# Altium PCB IFAT6.PcbDoc (part 1 of 5) (continued)
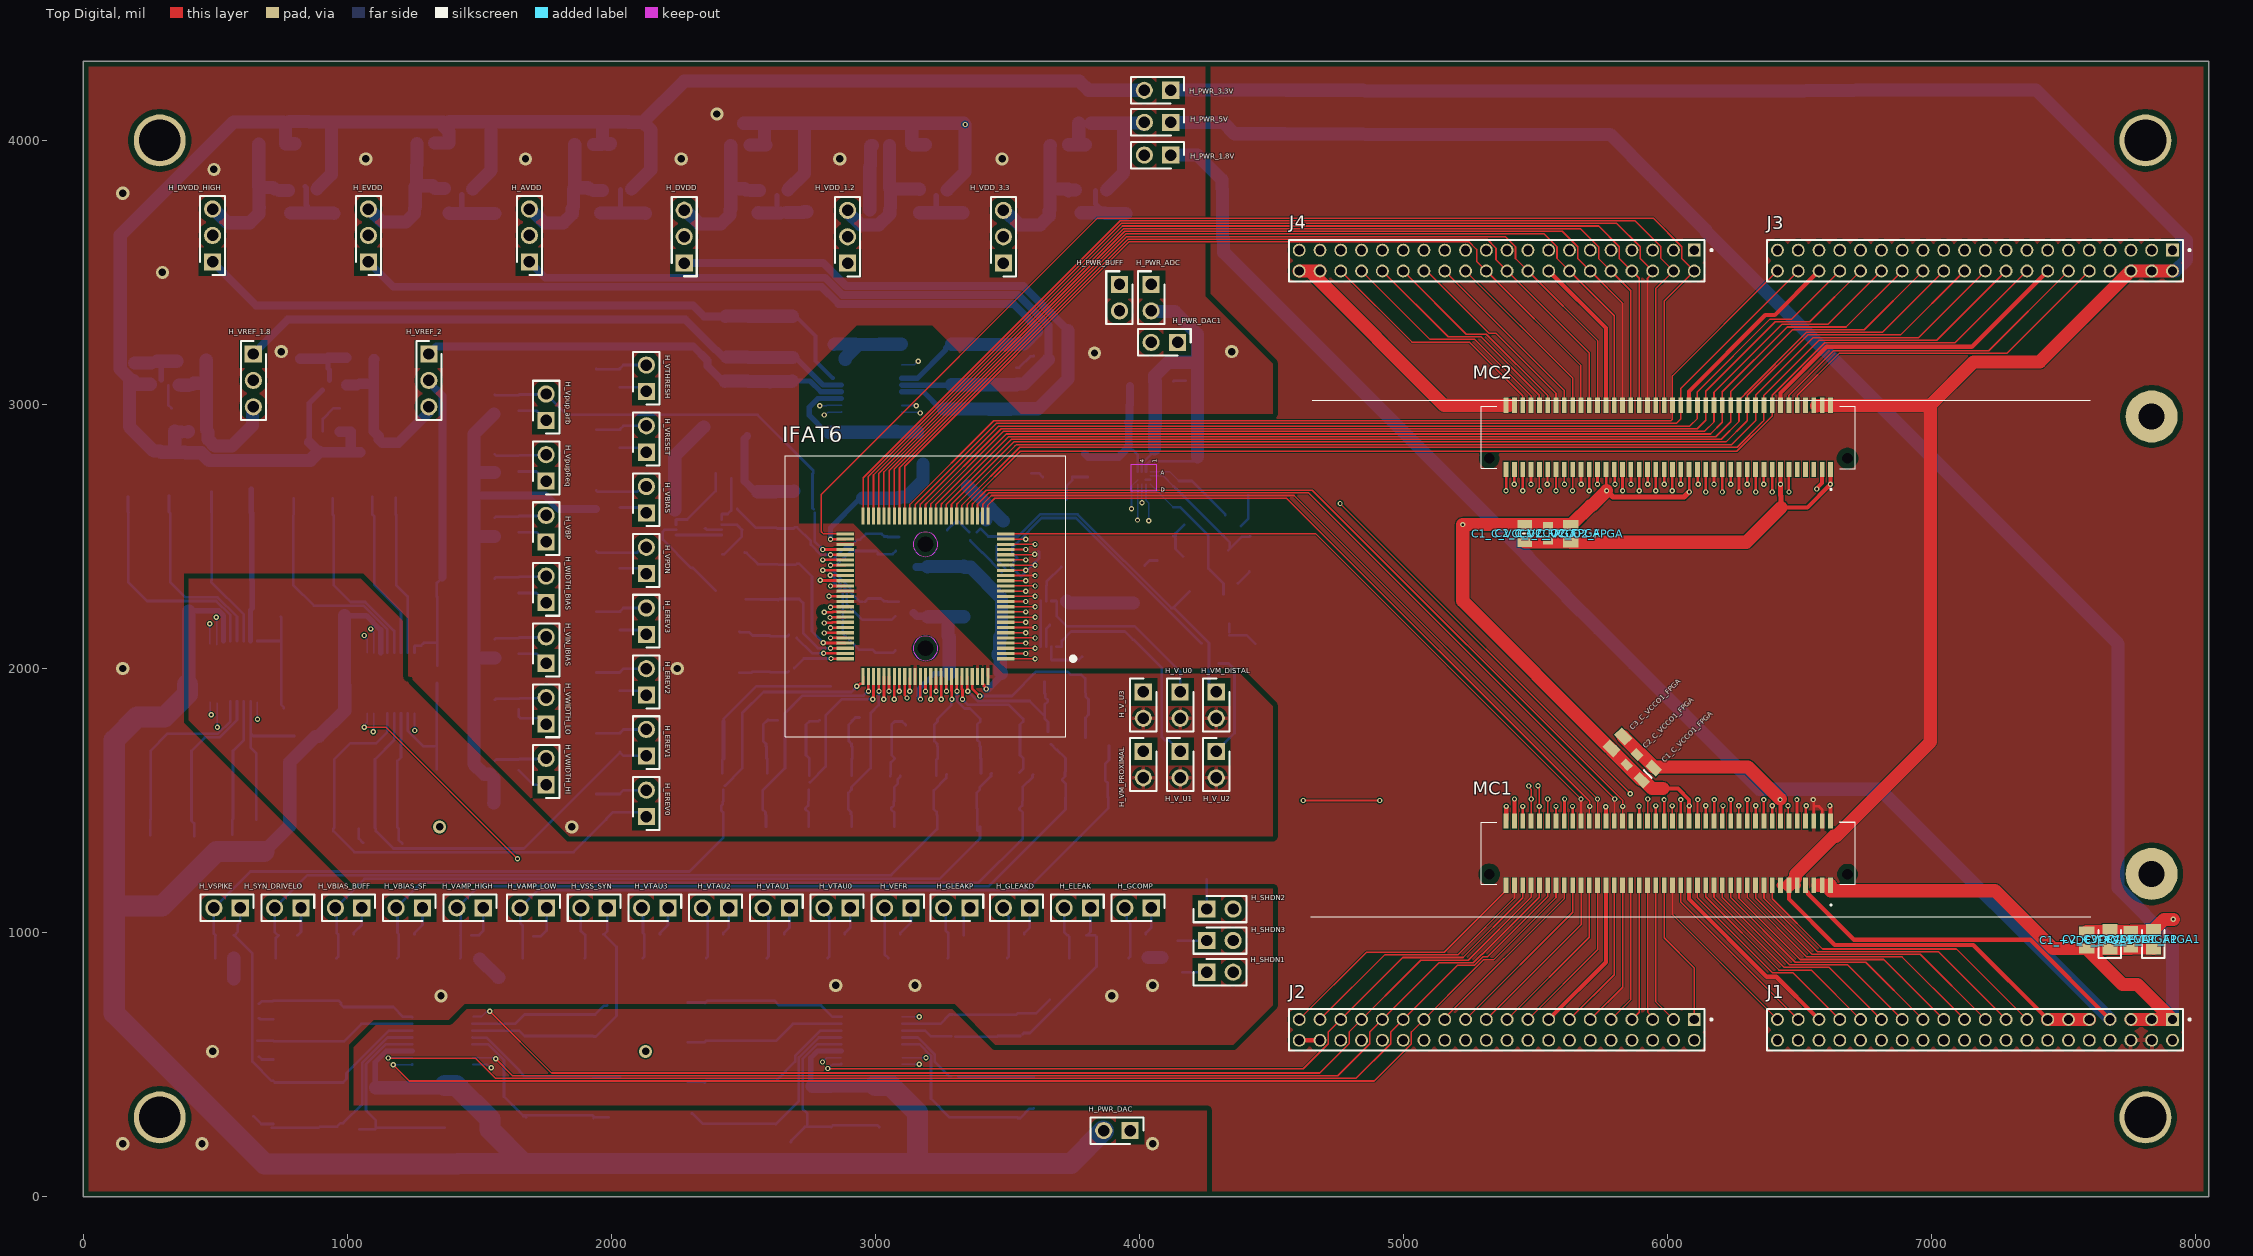
[diagram p0: Top Digital view]
## Components (designator, comment, footprint, x,y, rotation, side; value= is the part's Value field where it differs from the comment) (continued)
C1_VBIAS_SF "Cap 1nF 0805" "Samsung CL21B Series" 3525.57,1540.87 r180 bottom locked value=1nF (schematic designator C1)
C1_VBIAS_SF_DAC "Cap 10uF 0805" "KEMET C0805C106K4PACTU" 1277.5,230 r270 bottom value=10uF (schematic designator C1)
C1_VBP "Cap 1nF 0805" "Samsung CL21B Series" 3089.52,2530.41 r90 bottom locked value=1nF (schematic designator C1)
C1_VBP_DAC "Cap 10uF 0805" "KEMET C0805C106K4PACTU" 140,2590.93 r180 bottom value=10uF (schematic designator C1)
C1_VDC_DAC1 "Cap 10uF 0805" "KEMET C0805C106K4PACTU" 2822.5,2862.8 r270 bottom value=10uF (schematic designator C1)
C1_VDC_DAC2 "Cap 10uF 0805" "KEMET C0805C106K4PACTU" 1277.5,381.22 r270 bottom value=10uF (schematic designator C1)
C1_VDC_DAC3 "Cap 10uF 0805" "KEMET C0805C106K4PACTU" 958.5,2200 r180 bottom value=10uF (schematic designator C1)
C1_VDC_DAC4 "Cap 10uF 0805" "KEMET C0805C106K4PACTU" 365,2035 r180 bottom value=10uF (schematic designator C1)
C1_VDC_DAC5 "Cap 10uF 0805" "KEMET C0805C106K4PACTU" 2930.92,384.38 r270 bottom value=10uF (schematic designator C1)
C1_VDD_1.2_DAC "Cap 10uF 0805" "KEMET C0805C106K4PACTU" 605,2590.93 r180 bottom value=10uF (schematic designator C1)
C1_VIN_IBIAS "Cap 1nF 0805" "Samsung CL21B Series" 3087.5,2285.51 r90 bottom locked value=1nF (schematic designator C1)
C1_VPDN "Cap 1nF 0805" "Samsung CL21B Series" 2535.03,2020.1 r90 bottom locked value=1nF (schematic designator C1)
C1_VPDN_DAC "Cap 10uF 0805" "KEMET C0805C106K4PACTU" 1062.2,2407.5 r180 bottom value=10uF (schematic designator C1)
C1_Vpup_arb_DAC "Cap 10uF 0805" "KEMET C0805C106K4PACTU" 455,2590.93 r180 bottom value=10uF (schematic designator C1)
C1_VpupArb "Cap 1nF 0805" "Samsung CL21B Series" 2797.13,2740 r0 bottom locked value=1nF (schematic designator C1)
C1_VpupReq "Cap 1nF 0805" "Samsung CL21B Series" 2557.87,2564.78 r90 bottom locked value=1nF (schematic designator C1)
C1_VpupReq_DAC "Cap 10uF 0805" "KEMET C0805C106K4PACTU" 295,2590.93 r180 bottom value=10uF (schematic designator C1)
C1_VREF_1.8_DAC "Cap 10uF 0805" "KEMET C0805C106K4PACTU" 2517.5,3212.2 r90 bottom value=10uF (schematic designator C1)
C1_VREF_2_DAC "Cap 10uF 0805" "KEMET C0805C106K4PACTU" 2600.67,3054.15 r270 bottom value=10uF (schematic designator C1)
C1_VREF_DAC1 "Cap 10uF 0805" "KEMET C0805C106K4PACTU" 2928.52,3262.79 r90 bottom value=10uF (schematic designator C1)
C1_VREF_DAC2 "Cap 10uF 0805" "KEMET C0805C106K4PACTU" 2355,701.7 r270 bottom value=10uF (schematic designator C1)
C1_VREF_DAC3 "Cap 10uF 0805" "KEMET C0805C106K4PACTU" 976.62,701.7 r270 bottom value=10uF (schematic designator C1)
C1_VREF_DAC4 "Cap 10uF 0805" "KEMET C0805C106K4PACTU" 1375,2185 r0 bottom value=10uF (schematic designator C1)
C1_VREF_DAC5 "Cap 10uF 0805" "KEMET C0805C106K4PACTU" 3926.2,2932.54 r180 bottom value=10uF (schematic designator C1)
C1_VREFR "Cap 1nF 0805" "Samsung CL21B Series" 3203.29,1799.43 r180 bottom locked value=1nF (schematic designator C1)
C1_VREFR_DAC "Cap 10uF 0805" "KEMET C0805C106K4PACTU" 1765,720.88 r90 bottom value=10uF (schematic designator C1)
C1_VRESET "Cap 1nF 0805" "Samsung CL21B Series" 2565,2293.37 r90 bottom locked value=1nF (schematic designator C1)
C1_VRESET_DAC "Cap 10uF 0805" "KEMET C0805C106K4PACTU" 912.93,2407.5 r180 bottom value=10uF (schematic designator C1)
C1_VSPIKE "Cap 1nF 0805" "Samsung CL21B Series" 2391.11,1400.87 r180 bottom locked value=1nF (schematic designator C1)
C1_VSPIKE_DAC "Cap 10uF 0805" "KEMET C0805C106K4PACTU" 807.54,401.38 r270 bottom value=10uF (schematic designator C1)
C1_VSS_SYN "Cap 1nF 0805" "Samsung CL21B Series" 2392.96,1799.43 r180 bottom locked value=1nF (schematic designator C1)
C1_VSS_SYN_DAC "Cap 10uF 0805" "KEMET C0805C106K4PACTU" 1766.38,571.42 r270 bottom value=10uF (schematic designator C1)
C1_VTAU0_DAC "Cap 10uF 0805" "KEMET C0805C106K4PACTU" 2355,554.49 r270 bottom value=10uF (schematic designator C1)
C1_VTAU1_DAC "Cap 10uF 0805" "KEMET C0805C106K4PACTU" 2534.07,401.38 r270 bottom value=10uF (schematic designator C1)
C1_VTAU2_DAC "Cap 10uF 0805" "KEMET C0805C106K4PACTU" 2355,244.49 r270 bottom value=10uF (schematic designator C1)
C1_VTAU3_DAC "Cap 10uF 0805" "KEMET C0805C106K4PACTU" 2742.54,232.93 r270 bottom value=10uF (schematic designator C1)
C1_VTHRESH "Cap 1nF 0805" "Samsung CL21B Series" 2565,2427.2 r90 bottom locked value=1nF (schematic designator C1)
C1_VTHRESH_DAC "Cap 10uF 0805" "KEMET C0805C106K4PACTU" 765,2580.93 r180 bottom value=10uF (schematic designator C1)
C1_WBIAS "Cap 1nF 0805" "Samsung CL21B Series" 2950,2412.62 r270 bottom locked value=1nF (schematic designator C1)
C1_WBIAS_DAC "Cap 10uF 0805" "KEMET C0805C106K4PACTU" 687.2,1597.5 r0 bottom value=10uF (schematic designator C1)
C1_WBIAS_HI "Cap 1nF 0805" "Samsung CL21B Series" 2947.5,2039.37 r270 bottom locked value=1nF (schematic designator C1)
C1_WBIAS_HI_DAC "Cap 10uF 0805" "KEMET C0805C106K4PACTU" 220,1597.46 r180 bottom value=10uF (schematic designator C1)
C1_WBIAS_LO "Cap 1nF 0805" "Samsung CL21B Series" 2947.5,2164.37 r270 bottom locked value=1nF (schematic designator C1)
C1_WBIAS_LO_DAC "Cap 10uF 0805" "KEMET C0805C106K4PACTU" 375,1597.46 r180 bottom value=10uF (schematic designator C1)
C2_+VDC_FPGA1 "Cap 100nF 0805" "KEMET C0805C104J8RACTU" 7675,975 r90 top value="100 nF" (schematic designator C2)
C2_+VDC_FPGA2 "Cap 100nF 0805" "KEMET C0805C104J8RACTU" 6073.82,3785.68 r45 bottom value="100 nF" (schematic designator C2)
C2_+VDC_FPGA3 "Cap 100nF 0805" "KEMET C0805C104J8RACTU" 6710,4155 r270 bottom value="100 nF" (schematic designator C2)
C2_+VDC_FPGA4 "Cap 100nF 0805" "KEMET C0805C104J8RACTU" 5640,2300 r45 bottom value="100 nF" (schematic designator C2)
C2_+VDC_FPGA5 "100pF" CAPC1608X90N 4700,3990.91 r90 bottom (schematic designator C2)
C2_+VDC_FPGA6 "100pF" CAPC1608X90N 4700,4160 r90 bottom (schematic designator C2)
C2_+VDC_FPGA7 "100pF" CAPC1608X90N 4345,3725 r180 bottom (schematic designator C2)
C2_AVDD_ADC "Cap 100nF 0805" "KEMET C0805C104J8RACTU" 4093.58,2917.5 r0 bottom value="100 nF" (schematic designator C2)
C2_AVDD_DAC "Cap 100nF 0805" "KEMET C0805C104J8RACTU" 3454.48,3107.2 r90 bottom value="100 nF" (schematic designator C2)
C2_C_+VDC1 "100pF" CAPC1608X90N 3459.26,2624.03 r225 bottom (schematic designator C2)
C2_C_+VDC2 "100pF" CAPC1608X90N 2273.29,2779.2 r180 bottom (schematic designator C2)
C2_C_+VDC3 "100pF" CAPC1608X90N 3782.58,2280.87 r270 bottom (schematic designator C2)
C2_C_AVDD "100pF" CAPC1608X90N 3319.67,2050 r180 bottom locked (schematic designator C2)
C2_C_AVDD1 "100pF" CAPC1608X90N 3266.25,2219.92 r270 bottom locked (schematic designator C2)
C2_C_EVDD1 "100pF" CAPC1608X90N 3267.5,2362.66 r90 bottom locked (schematic designator C2)
C2_C_EVDD2 "100pF" CAPC1608X90N 3438.07,2051.99 r0 bottom locked (schematic designator C2)
C2_C_VCCO1_FPGA "100pF" CAPC1608X90N 5865,1655 r225 top (schematic designator C2)
C2_C_VCCO2_FPGA "100pF" CAPC1608X90N 5547.5,2512.2 r90 top (schematic designator C2)
C2_DVDD "100pF" CAPC1608X90N 3021.25,2668.92 r270 bottom locked (schematic designator C2)
C2_DVDD_ADC "Cap 100nF 0805" "KEMET C0805C104J8RACTU" 4257.2,2897.5 r0 bottom value="100 nF" (schematic designator C2)
C2_DVDD_DAC "Cap 100nF 0805" "KEMET C0805C104J8RACTU" 3342.81,2948.4 r270 bottom value="100 nF" (schematic designator C2)
C2_DVDD_HI "100pF" CAPC1608X90N 2621.42,2694.67 r270 bottom locked (schematic designator C2)
C2_DVDD_HI_DAC "Cap 100nF 0805" "KEMET C0805C104J8RACTU" 2602.57,3368.69 r90 bottom value="100 nF" (schematic designator C2)
C2_E_REV0 "100pF" CAPC1608X90N 3032.09,1470.87 r0 bottom locked (schematic designator C2)
C2_E_REV1 "100pF" CAPC1608X90N 2870.02,1470.87 r0 bottom locked (schematic designator C2)
C2_E_REV2 "100pF" CAPC1608X90N 2707.96,1470.87 r0 bottom locked (schematic designator C2)
C2_E_REV3 "100pF" CAPC1608X90N 2545.89,1470.87 r0 bottom locked (schematic designator C2)
C2_EL_DAC "Cap 100nF 0805" "KEMET C0805C104J8RACTU" 3450.41,572.8 r270 bottom value="100 nF" (schematic designator C2)
C2_ELEAK "100pF" CAPC1608X90N 3681.03,1879.93 r180 bottom locked (schematic designator C2)
C2_EVDD_DAC "Cap 100nF 0805" "KEMET C0805C104J8RACTU" 3454.39,3261.2 r90 bottom value="100 nF" (schematic designator C2)
C2_GCOMP "100pF" CAPC1608X90N 3834.59,1883.07 r180 bottom locked (schematic designator C2)
C2_GCOMP_DAC "Cap 100nF 0805" "KEMET C0805C104J8RACTU" 3450.41,724.5 r90 bottom value="100 nF" (schematic designator C2)
C2_GL_DIS "100pF" CAPC1608X90N 3520.14,1729.43 r0 bottom locked (schematic designator C2)
C2_GL_PROX "100pF" CAPC1608X90N 3358.07,1729.43 r0 bottom locked (schematic designator C2)
C2_GLDIST_DAC "Cap 100nF 0805" "KEMET C0805C104J8RACTU" 3450.41,423.14 r270 bottom value="100 nF" (schematic designator C2)
C2_GLPROX_DAC "Cap 100nF 0805" "KEMET C0805C104J8RACTU" 3450.41,267.8 r270 bottom value="100 nF" (schematic designator C2)
C2_IN_IBIAS_DAC "Cap 100nF 0805" "KEMET C0805C104J8RACTU" 531.99,1512.46 r180 bottom value="100 nF" (schematic designator C2)
C2_REF_ADC "Cap 100nF 0805" "KEMET C0805C104J8RACTU" 785,2101.47 r0 bottom value="100 nF" (schematic designator C2)
C2_SYN_DR_LO "100pF" CAPC1608X90N 3194.15,1470.87 r0 bottom locked (schematic designator C2)
C2_SYN_DRLO_DAC "Cap 100nF 0805" "KEMET C0805C104J8RACTU" 892.5,554.49 r270 bottom value="100 nF" (schematic designator C2)
C2_U_Capx41 "Cap 100nF 0805" "KEMET C0805C104J8RACTU" 1829.31,3904.4 r180 bottom value="100 nF" (schematic designator C2)
C2_U_Capx42 "Cap 100nF 0805" "KEMET C0805C104J8RACTU" 2416.29,3900.45 r180 bottom value="100 nF" (schematic designator C2)
C2_U_Capx43 "Cap 100nF 0805" "KEMET C0805C104J8RACTU" 633.7,3904.97 r180 bottom value="100 nF" (schematic designator C2)
C2_U_Capx44 "Cap 100nF 0805" "KEMET C0805C104J8RACTU" 1227.2,3907.47 r180 bottom value="100 nF" (schematic designator C2)
C2_U_Capx45 "Cap 100nF 0805" "KEMET C0805C104J8RACTU" 3021.25,3899.76 r180 bottom value="100 nF" (schematic designator C2)
C2_U_Capx46 "Cap 100nF 0805" "KEMET C0805C104J8RACTU" 3625.62,3899.76 r180 bottom value="100 nF" (schematic designator C2)
C2_U_Capx47 "Cap 100nF 0805" "KEMET C0805C104J8RACTU" 499.37,2992.44 r0 bottom value="100 nF" (schematic designator C2)
C2_U_Capx48 "Cap 100nF 0805" "KEMET C0805C104J8RACTU" 1136.27,2992.44 r0 bottom value="100 nF" (schematic designator C2)
C2_V_EREV0_DAC "Cap 100nF 0805" "KEMET C0805C104J8RACTU" 915,1480 r180 bottom value="100 nF" (schematic designator C2)
C2_V_EREV1_DAC "Cap 100nF 0805" "KEMET C0805C104J8RACTU" 1070,1480 r180 bottom value="100 nF" (schematic designator C2)
C2_V_EREV2_DAC "Cap 100nF 0805" "KEMET C0805C104J8RACTU" 1225,1480 r0 bottom value="100 nF" (schematic designator C2)
C2_V_EREV3_DAC "Cap 100nF 0805" "KEMET C0805C104J8RACTU" 1375,1705 r0 bottom value="100 nF" (schematic designator C2)
C2_V_TAU0 "100pF" CAPC1608X90N 3033.94,1729.43 r0 bottom locked (schematic designator C2)
C2_V_TAU1 "100pF" CAPC1608X90N 2871.88,1729.43 r0 bottom locked (schematic designator C2)
C2_V_TAU2 "100pF" CAPC1608X90N 2709.81,1729.43 r0 bottom locked (schematic designator C2)
C2_V_TAU3 "100pF" CAPC1608X90N 2547.75,1729.43 r0 bottom locked (schematic designator C2)
C2_VAMP_HI_DAC "Cap 100nF 0805" "KEMET C0805C104J8RACTU" 1849.91,267.8 r270 bottom value="100 nF" (schematic designator C2)
C2_VAMP_HIGH "100pF" CAPC1608X90N 3680.43,1580.87 r0 bottom locked (schematic designator C2)
C2_VAMP_LOW "100pF" CAPC1608X90N 3842.5,1580.87 r0 bottom locked (schematic designator C2)
C2_VAMP_LOW_DAC "Cap 100nF 0805" "KEMET C0805C104J8RACTU" 1849.91,420 r270 bottom value="100 nF" (schematic designator C2)
C2_VB_BUFF_DAC "Cap 100nF 0805" "KEMET C0805C104J8RACTU" 892.55,239.49 r270 bottom value="100 nF" (schematic designator C2)
C2_VBIAS "100pF" CAPC1608X90N 2602.5,2149.92 r270 bottom locked (schematic designator C2)
C2_VBIAS_BUFF "100pF" CAPC1608X90N 3356.22,1470.87 r0 bottom locked (schematic designator C2)
C2_VBIAS_DAC "Cap 100nF 0805" "KEMET C0805C104J8RACTU" 1217.8,2497.5 r0 bottom value="100 nF" (schematic designator C2)
C2_VBIAS_SF "100pF" CAPC1608X90N 3518.28,1470.87 r0 bottom locked (schematic designator C2)
C2_VBIAS_SF_DAC "Cap 100nF 0805" "KEMET C0805C104J8RACTU" 1192.5,225 r270 bottom value="100 nF" (schematic designator C2)
C2_VBP "100pF" CAPC1608X90N 3019.52,2537.69 r270 bottom locked (schematic designator C2)
C2_VBP_DAC "Cap 100nF 0805" "KEMET C0805C104J8RACTU" 137.87,2505 r180 bottom value="100 nF" (schematic designator C2)
C2_VDC_DAC1 "Cap 100nF 0805" "KEMET C0805C104J8RACTU" 2910,2860 r270 bottom value="100 nF" (schematic designator C2)
C2_VDC_DAC2 "Cap 100nF 0805" "KEMET C0805C104J8RACTU" 1192.5,382.8 r270 bottom value="100 nF" (schematic designator C2)
C2_VDC_DAC3 "Cap 100nF 0805" "KEMET C0805C104J8RACTU" 954.88,2106.47 r180 bottom value="100 nF" (schematic designator C2)
C2_VDC_DAC4 "Cap 100nF 0805" "KEMET C0805C104J8RACTU" 364.57,2121.47 r180 bottom value="100 nF" (schematic designator C2)
C2_VDC_DAC5 "Cap 100nF 0805" "KEMET C0805C104J8RACTU" 2845.92,384.38 r270 bottom value="100 nF" (schematic designator C2)
C2_VDD_1.2_DAC "Cap 100nF 0805" "KEMET C0805C104J8RACTU" 605,2507.5 r180 bottom value="100 nF" (schematic designator C2)
C2_VIN_IBIAS "100pF" CAPC1608X90N 3017.5,2292.8 r270 bottom locked (schematic designator C2)
C2_VPDN "100pF" CAPC1608X90N 2602.53,2012.82 r270 bottom locked (schematic designator C2)
C2_VPDN_DAC "Cap 100nF 0805" "KEMET C0805C104J8RACTU" 1067.2,2497.5 r180 bottom value="100 nF" (schematic designator C2)
C2_Vpup_arb_DAC "Cap 100nF 0805" "KEMET C0805C104J8RACTU" 450,2505 r180 bottom value="100 nF" (schematic designator C2)
C2_VpupArb "100pF" CAPC1608X90N 2789.84,2670 r180 bottom locked (schematic designator C2)
C2_VpupReq "100pF" CAPC1608X90N 2627.87,2557.5 r270 bottom locked (schematic designator C2)
C2_VpupReq_DAC "Cap 100nF 0805" "KEMET C0805C104J8RACTU" 295,2505 r180 bottom value="100 nF" (schematic designator C2)
C2_VREF_1.8_DAC "Cap 100nF 0805" "KEMET C0805C104J8RACTU" 2602.5,3212.2 r90 bottom value="100 nF" (schematic designator C2)
C2_VREF_2_DAC "Cap 100nF 0805" "KEMET C0805C104J8RACTU" 2515.67,3053.71 r270 bottom value="100 nF" (schematic designator C2)
C2_VREF_DAC1 "Cap 100nF 0805" "KEMET C0805C104J8RACTU" 3013.52,3262.79 r90 bottom value="100 nF" (schematic designator C2)
C2_VREF_DAC2 "Cap 100nF 0805" "KEMET C0805C104J8RACTU" 2447.5,703.9 r270 bottom value="100 nF" (schematic designator C2)
C2_VREF_DAC3 "Cap 100nF 0805" "KEMET C0805C104J8RACTU" 892.5,703.9 r270 bottom value="100 nF" (schematic designator C2)
C2_VREF_DAC4 "Cap 100nF 0805" "KEMET C0805C104J8RACTU" 1372.8,2097.5 r0 bottom value="100 nF" (schematic designator C2)
C2_VREF_DAC5 "Cap 100nF 0805" "KEMET C0805C104J8RACTU" 3926.2,3017.54 r180 bottom value="100 nF" (schematic designator C2)
C2_VREFR "100pF" CAPC1608X90N 3196.01,1729.43 r0 bottom locked (schematic designator C2)
C2_VREFR_DAC "Cap 100nF 0805" "KEMET C0805C104J8RACTU" 1849.91,724.5 r90 bottom value="100 nF" (schematic designator C2)
C2_VRESET "100pF" CAPC1608X90N 2632.5,2286.08 r270 bottom locked (schematic designator C2)
C2_VRESET_DAC "Cap 100nF 0805" "KEMET C0805C104J8RACTU" 912.93,2497.5 r180 bottom value="100 nF" (schematic designator C2)
C2_VSPIKE "100pF" CAPC1608X90N 2383.82,1470.87 r0 bottom locked (schematic designator C2)
C2_VSPIKE_DAC "Cap 100nF 0805" "KEMET C0805C104J8RACTU" 892.5,400 r270 bottom value="100 nF" (schematic designator C2)
C2_VSS_SYN "100pF" CAPC1608X90N 2385.68,1729.43 r0 bottom locked (schematic designator C2)
C2_VSS_SYN_DAC "Cap 100nF 0805" "KEMET C0805C104J8RACTU" 1849.91,572.8 r270 bottom value="100 nF" (schematic designator C2)
C2_VTAU0_DAC "Cap 100nF 0805" "KEMET C0805C104J8RACTU" 2617.5,554.49 r270 bottom value="100 nF" (schematic designator C2)
C2_VTAU1_DAC "Cap 100nF 0805" "KEMET C0805C104J8RACTU" 2447.5,400 r270 bottom value="100 nF" (schematic designator C2)
C2_VTAU2_DAC "Cap 100nF 0805" "KEMET C0805C104J8RACTU" 2447.5,239.49 r270 bottom value="100 nF" (schematic designator C2)
C2_VTAU3_DAC "Cap 100nF 0805" "KEMET C0805C104J8RACTU" 3015.04,227.93 r270 bottom value="100 nF" (schematic designator C2)
C2_VTHRESH "100pF" CAPC1608X90N 2632.5,2419.92 r270 bottom locked (schematic designator C2)
C2_VTHRESH_DAC "Cap 100nF 0805" "KEMET C0805C104J8RACTU" 760,2497.5 r180 bottom value="100 nF" (schematic designator C2)
C2_WBIAS "100pF" CAPC1608X90N 3020,2405.33 r90 bottom locked (schematic designator C2)
C2_WBIAS_DAC "Cap 100nF 0805" "KEMET C0805C104J8RACTU" 687.2,1512.5 r0 bottom value="100 nF" (schematic designator C2)
C2_WBIAS_HI "100pF" CAPC1608X90N 3017.5,2032.09 r90 bottom locked (schematic designator C2)
C2_WBIAS_HI_DAC "Cap 100nF 0805" "KEMET C0805C104J8RACTU" 220,1512.46 r180 bottom value="100 nF" (schematic designator C2)
C2_WBIAS_LO "100pF" CAPC1608X90N 3017.5,2157.09 r90 bottom locked (schematic designator C2)
C2_WBIAS_LO_DAC "Cap 100nF 0805" "KEMET C0805C104J8RACTU" 375,1512.46 r180 bottom value="100 nF" (schematic designator C2)
C3_+VDC_FPGA1 "Cap 1nF 0805" "Samsung CL21B Series" 7755,975 r90 top value=1nF (schematic designator C3)
C3_+VDC_FPGA2 "Cap 1nF 0805" "Samsung CL21B Series" 6167.06,3677.61 r45 bottom value=1nF (schematic designator C3)
C3_+VDC_FPGA3 "Cap 1nF 0805" "Samsung CL21B Series" 6892.21,4158.68 r270 bottom value=1nF (schematic designator C3)
C3_+VDC_FPGA4 "Cap 1nF 0805" "Samsung CL21B Series" 5760,2175 r45 bottom value=1nF (schematic designator C3)
C3_+VDC_FPGA5 "10 pF" CAPC2012X88N 4850.49,3990.91 r90 bottom (schematic designator C3)
C3_+VDC_FPGA6 "10 pF" CAPC2012X88N 4850.49,4155 r90 bottom (schematic designator C3)
C3_+VDC_FPGA7 "10 pF" CAPC2012X88N 4350,3630 r180 bottom (schematic designator C3)
C3_AVDD_ADC "Cap 1nF 0805" "Samsung CL21B Series" 4093.58,3002.5 r0 bottom value=1nF (schematic designator C3)
C3_AVDD_DAC "Cap 1nF 0805" "Samsung CL21B Series" 3534.48,3107.2 r90 bottom value=1nF (schematic designator C3)
C3_C_+VDC1 "10 pF" CAPC2012X88N 3922.94,2279.46 r270 bottom (schematic designator C3)
C3_C_+VDC2 "10 pF" CAPC2012X88N 2273.29,2714.2 r180 bottom (schematic designator C3)
C3_C_+VDC3 "10 pF" CAPC2012X88N 3411.61,2675.41 r225 bottom (schematic designator C3)
C3_C_AVDD "10 pF" CAPC2012X88N 3311,2120 r180 bottom locked (schematic designator C3)
C3_C_AVDD1 "10 pF" CAPC2012X88N 3336.25,2228.58 r270 bottom locked (schematic designator C3)
C3_C_EVDD1 "10 pF" CAPC2012X88N 3197.5,2354 r90 bottom locked (schematic designator C3)
C3_C_EVDD2 "10 pF" CAPC2012X88N 3446.73,1981.99 r0 bottom locked (schematic designator C3)
C3_C_VCCO1_FPGA "10 pF" CAPC2012X88N 5810,1720 r225 top (schematic designator C3)
C3_C_VCCO2_FPGA "10 pF" CAPC2012X88N 5633.79,2509.86 r90 top (schematic designator C3)
C3_DVDD "10 pF" CAPC2012X88N 3088.75,2677.58 r270 bottom locked (schematic designator C3)
C3_DVDD_ADC "Cap 1nF 0805" "Samsung CL21B Series" 4252.24,2992.5 r0 bottom value=1nF (schematic designator C3)
C3_DVDD_DAC "Cap 1nF 0805" "Samsung CL21B Series" 3257.81,2949.78 r270 bottom value=1nF (schematic designator C3)
C3_DVDD_HI "10 pF" CAPC2012X88N 2691.42,2703.33 r270 bottom locked (schematic designator C3)
C3_DVDD_HI_DAC "Cap 1nF 0805" "Samsung CL21B Series" 2687.57,3367.31 r90 bottom value=1nF (schematic designator C3)
C3_E_REV0 "10 pF" CAPC2012X88N 3040.75,1400.87 r0 bottom locked (schematic designator C3)
C3_E_REV1 "10 pF" CAPC2012X88N 2878.68,1400.87 r0 bottom locked (schematic designator C3)
C3_E_REV2 "10 pF" CAPC2012X88N 2716.62,1400.87 r0 bottom locked (schematic designator C3)
C3_E_REV3 "10 pF" CAPC2012X88N 2554.55,1400.87 r0 bottom locked (schematic designator C3)
C3_EL_DAC "Cap 1nF 0805" "Samsung CL21B Series" 3367.91,572.8 r270 bottom value=1nF (schematic designator C3)
C3_ELEAK "10 pF" CAPC2012X88N 3672.37,1949.93 r180 bottom locked (schematic designator C3)
C3_EVDD_DAC "Cap 1nF 0805" "Samsung CL21B Series" 3539.39,3259.82 r90 bottom value=1nF (schematic designator C3)
C3_GCOMP "10 pF" CAPC2012X88N 3825.93,1953.07 r180 bottom locked (schematic designator C3)
C3_GCOMP_DAC "Cap 1nF 0805" "Samsung CL21B Series" 3367.91,719.5 r90 bottom value=1nF (schematic designator C3)
C3_GL_DIS "10 pF" CAPC2012X88N 3528.8,1659.43 r0 bottom locked (schematic designator C3)
C3_GL_PROX "10 pF" CAPC2012X88N 3366.74,1659.43 r0 bottom locked (schematic designator C3)
C3_GLDIST_DAC "Cap 1nF 0805" "Samsung CL21B Series" 3539.48,418.73 r270 bottom value=1nF (schematic designator C3)
C3_GLPROX_DAC "Cap 1nF 0805" "Samsung CL21B Series" 3539.48,265.28 r270 bottom value=1nF (schematic designator C3)
C3_IN_IBIAS_DAC "Cap 1nF 0805" "Samsung CL21B Series" 531.99,1427.46 r180 bottom value=1nF (schematic designator C3)
C3_REF_ADC "Cap 1nF 0805" "Samsung CL21B Series" 780,2196.57 r0 bottom value=1nF (schematic designator C3)
C3_SYN_DR_LO "10 pF" CAPC2012X88N 3202.81,1400.87 r0 bottom locked (schematic designator C3)
C3_SYN_DRLO_DAC "Cap 1nF 0805" "Samsung CL21B Series" 978.19,555.87 r270 bottom value=1nF (schematic designator C3)
C3_U_Capx41 "Cap 1nF 0805" "Samsung CL21B Series" 1829.31,3984.93 r180 bottom value=1nF (schematic designator C3)
C3_U_Capx42 "Cap 1nF 0805" "Samsung CL21B Series" 2421.29,3980.94 r180 bottom value=1nF (schematic designator C3)
C3_U_Capx43 "Cap 1nF 0805" "Samsung CL21B Series" 632.5,3985.49 r180 bottom value=1nF (schematic designator C3)
C3_U_Capx44 "Cap 1nF 0805" "Samsung CL21B Series" 1232.2,3987.99 r180 bottom value=1nF (schematic designator C3)
C3_U_Capx45 "Cap 1nF 0805" "Samsung CL21B Series" 3021.25,3980.26 r180 bottom value=1nF (schematic designator C3)
C3_U_Capx46 "Cap 1nF 0805" "Samsung CL21B Series" 3630.62,3980.26 r180 bottom value=1nF (schematic designator C3)
C3_U_Capx47 "Cap 1nF 0805" "Samsung CL21B Series" 497.99,3082.44 r0 bottom value=1nF (schematic designator C3)
C3_U_Capx48 "Cap 1nF 0805" "Samsung CL21B Series" 1131.27,3082.44 r0 bottom value=1nF (schematic designator C3)
C3_V_EREV0_DAC "Cap 1nF 0805" "Samsung CL21B Series" 915,1393.43 r180 bottom value=1nF (schematic designator C3)
C3_V_EREV1_DAC "Cap 1nF 0805" "Samsung CL21B Series" 1076.38,1393.43 r180 bottom value=1nF (schematic designator C3)
C3_V_EREV2_DAC "Cap 1nF 0805" "Samsung CL21B Series" 1223.62,1565 r0 bottom value=1nF (schematic designator C3)
C3_V_EREV3_DAC "Cap 1nF 0805" "Samsung CL21B Series" 1373.62,1788.43 r0 bottom value=1nF (schematic designator C3)
C3_V_TAU0 "10 pF" CAPC2012X88N 3042.6,1659.43 r0 bottom locked (schematic designator C3)
C3_V_TAU1 "10 pF" CAPC2012X88N 2880.54,1659.43 r0 bottom locked (schematic designator C3)
C3_V_TAU2 "10 pF" CAPC2012X88N 2718.47,1659.43 r0 bottom locked (schematic designator C3)
C3_V_TAU3 "10 pF" CAPC2012X88N 2556.41,1659.43 r0 bottom locked (schematic designator C3)
C3_VAMP_HI_DAC "Cap 1nF 0805" "Samsung CL21B Series" 1932.46,265.28 r270 bottom value=1nF (schematic designator C3)
C3_VAMP_HIGH "10 pF" CAPC2012X88N 3689.1,1510.87 r0 bottom locked (schematic designator C3)
C3_VAMP_LOW "10 pF" CAPC2012X88N 3851.16,1510.87 r0 bottom locked (schematic designator C3)
C3_VAMP_LOW_DAC "Cap 1nF 0805" "Samsung CL21B Series" 1932.46,420 r270 bottom value=1nF (schematic designator C3)
C3_VB_BUFF_DAC "Cap 1nF 0805" "Samsung CL21B Series" 975.09,245.87 r270 bottom value=1nF (schematic designator C3)
C3_VBIAS "10 pF" CAPC2012X88N 2672.5,2158.58 r270 bottom locked (schematic designator C3)
C3_VBIAS_BUFF "10 pF" CAPC2012X88N 3364.88,1400.87 r0 bottom locked (schematic designator C3)
C3_VBIAS_DAC "Cap 1nF 0805" "Samsung CL21B Series" 1216.42,2582.5 r0 bottom value=1nF (schematic designator C3)
C3_VBIAS_SF "10 pF" CAPC2012X88N 3526.94,1400.87 r0 bottom locked (schematic designator C3)
C3_VBIAS_SF_DAC "Cap 1nF 0805" "Samsung CL21B Series" 1107.5,225 r270 bottom value=1nF (schematic designator C3)
C3_VBP "10 pF" CAPC2012X88N 2952.02,2529.03 r270 bottom locked (schematic designator C3)
C3_VBP_DAC "Cap 1nF 0805" "Samsung CL21B Series" 135.67,2419.07 r180 bottom value=1nF (schematic designator C3)
C3_VDC_DAC1 "Cap 1nF 0805" "Samsung CL21B Series" 2992.5,2857.05 r270 bottom value=1nF (schematic designator C3)
C3_VDC_DAC2 "Cap 1nF 0805" "Samsung CL21B Series" 1107.5,379.84 r270 bottom value=1nF (schematic designator C3)
C3_VDC_DAC3 "Cap 1nF 0805" "Samsung CL21B Series" 959.88,2021.57 r180 bottom value=1nF (schematic designator C3)
C3_VDC_DAC4 "Cap 1nF 0805" "Samsung CL21B Series" 365,2216.57 r180 bottom value=1nF (schematic designator C3)
C3_VDC_DAC5 "Cap 1nF 0805" "Samsung CL21B Series" 2760.92,385.76 r270 bottom value=1nF (schematic designator C3)
C3_VDD_1.2_DAC "Cap 1nF 0805" "Samsung CL21B Series" 605,2419.07 r180 bottom value=1nF (schematic designator C3)
C3_VIN_IBIAS "10 pF" CAPC2012X88N 2950,2284.13 r270 bottom locked (schematic designator C3)
C3_VPDN "10 pF" CAPC2012X88N 2672.53,2021.48 r270 bottom locked (schematic designator C3)
C3_VPDN_DAC "Cap 1nF 0805" "Samsung CL21B Series" 1063.58,2582.5 r180 bottom value=1nF (schematic designator C3)
C3_Vpup_arb_DAC "Cap 1nF 0805" "Samsung CL21B Series" 455,2419.07 r180 bottom value=1nF (schematic designator C3)
C3_VpupArb "10 pF" CAPC2012X88N 2798.5,2602.5 r180 bottom locked (schematic designator C3)
C3_VpupReq "10 pF" CAPC2012X88N 2695.37,2566.16 r270 bottom locked (schematic designator C3)
C3_VpupReq_DAC "Cap 1nF 0805" "Samsung CL21B Series" 295,2419.07 r180 bottom value=1nF (schematic designator C3)
C3_VREF_1.8_DAC "Cap 1nF 0805" "Samsung CL21B Series" 2687.5,3210.83 r90 bottom value=1nF (schematic designator C3)
C3_VREF_2_DAC "Cap 1nF 0805" "Samsung CL21B Series" 2430.67,3055.53 r270 bottom value=1nF (schematic designator C3)
C3_VREF_DAC1 "Cap 1nF 0805" "Samsung CL21B Series" 3098.52,3261.41 r90 bottom value=1nF (schematic designator C3)
C3_VREF_DAC2 "Cap 1nF 0805" "Samsung CL21B Series" 2532.5,706.7 r270 bottom value=1nF (schematic designator C3)
C3_VREF_DAC3 "Cap 1nF 0805" "Samsung CL21B Series" 809.12,706.7 r270 bottom value=1nF (schematic designator C3)
C3_VREF_DAC4 "Cap 1nF 0805" "Samsung CL21B Series" 1373.62,2010 r0 bottom value=1nF (schematic designator C3)
C3_VREF_DAC5 "Cap 1nF 0805" "Samsung CL21B Series" 3927.58,3102.54 r180 bottom value=1nF (schematic designator C3)
C3_VREFR "10 pF" CAPC2012X88N 3204.67,1659.43 r0 bottom locked (schematic designator C3)
C3_VREFR_DAC "Cap 1nF 0805" "Samsung CL21B Series" 1932.46,725.02 r90 bottom value=1nF (schematic designator C3)
C3_VRESET "10 pF" CAPC2012X88N 2702.5,2294.74 r270 bottom locked (schematic designator C3)
C3_VRESET_DAC "Cap 1nF 0805" "Samsung CL21B Series" 912.93,2582.5 r180 bottom value=1nF (schematic designator C3)
C3_VSPIKE "10 pF" CAPC2012X88N 2392.49,1540.87 r0 bottom locked (schematic designator C3)
C3_VSPIKE_DAC "Cap 1nF 0805" "Samsung CL21B Series" 975.09,400 r270 bottom value=1nF (schematic designator C3)
C3_VSS_SYN "10 pF" CAPC2012X88N 2394.34,1659.43 r0 bottom locked (schematic designator C3)
C3_VSS_SYN_DAC "Cap 1nF 0805" "Samsung CL21B Series" 1932.46,574.17 r270 bottom value=1nF (schematic designator C3)
C3_VTAU0_DAC "Cap 1nF 0805" "Samsung CL21B Series" 2532.5,553.43 r270 bottom value=1nF (schematic designator C3)
C3_VTAU1_DAC "Cap 1nF 0805" "Samsung CL21B Series" 2353.43,400 r270 bottom value=1nF (schematic designator C3)
C3_VTAU2_DAC "Cap 1nF 0805" "Samsung CL21B Series" 2532.5,244.49 r270 bottom value=1nF (schematic designator C3)
C3_VTAU3_DAC "Cap 1nF 0805" "Samsung CL21B Series" 2922.54,237.93 r270 bottom value=1nF (schematic designator C3)
C3_VTHRESH "10 pF" CAPC2012X88N 2702.5,2428.58 r270 bottom locked (schematic designator C3)
C3_VTHRESH_DAC "Cap 1nF 0805" "Samsung CL21B Series" 765,2409.07 r180 bottom value=1nF (schematic designator C3)
C3_WBIAS "10 pF" CAPC2012X88N 3087.5,2414 r90 bottom locked (schematic designator C3)
C3_WBIAS_DAC "Cap 1nF 0805" "Samsung CL21B Series" 687.2,1427.5 r0 bottom value=1nF (schematic designator C3)
C3_WBIAS_HI "10 pF" CAPC2012X88N 3085,2040.75 r90 bottom locked (schematic designator C3)
C3_WBIAS_HI_DAC "Cap 1nF 0805" "Samsung CL21B Series" 221.38,1427.46 r180 bottom value=1nF (schematic designator C3)
C3_WBIAS_LO "10 pF" CAPC2012X88N 3085,2165.75 r90 bottom locked (schematic designator C3)
C3_WBIAS_LO_DAC "Cap 1nF 0805" "Samsung CL21B Series" 376.38,1425 r180 bottom value=1nF (schematic designator C3)
C4_+VDC_FPGA1 "Cap 100uF 0805" "KEMET C0805C104J8RACTU" 7840,975 r90 top value="100 uF" (schematic designator C4)
C4_+VDC_FPGA2 "Cap 100uF 0805" "KEMET C0805C104J8RACTU" 5869.08,3982.52 r45 bottom value="100 uF" (schematic designator C4)
C4_+VDC_FPGA3 "Cap 100uF 0805" "KEMET C0805C104J8RACTU" 7085,4155.43 r270 bottom value="100 uF" (schematic designator C4)
C4_+VDC_FPGA4 "Cap 100uF 0805" "KEMET C0805C104J8RACTU" 5900,2040 r45 bottom value="100 uF" (schematic designator C4)
C4_AVDD_ADC "Cap 100uF 0805" "KEMET C0805C104J8RACTU" 4093.58,3087.5 r0 bottom value="100 uF" (schematic designator C4)
C4_AVDD_DAC "Cap 100uF 0805" "KEMET C0805C104J8RACTU" 3284.48,3107.2 r90 bottom value="100 uF" (schematic designator C4)
C4_DVDD_ADC "Cap 100uF 0805" "KEMET C0805C104J8RACTU" 4257.2,3087.5 r0 bottom value="100 uF" (schematic designator C4)
C4_DVDD_DAC "Cap 100uF 0805" "KEMET C0805C104J8RACTU" 3512.81,2948.4 r270 bottom value="100 uF" (schematic designator C4)
C4_DVDD_HI_DAC "Cap 100uF 0805" "KEMET C0805C104J8RACTU" 2432.57,3368.69 r90 bottom value="100 uF" (schematic designator C4)
C4_EL_DAC "Cap 100uF 0805" "KEMET C0805C104J8RACTU" 3287.5,572.8 r270 bottom value="100 uF" (schematic designator C4)
C4_EVDD_DAC "Cap 100uF 0805" "KEMET C0805C104J8RACTU" 3284.39,3261.2 r90 bottom value="100 uF" (schematic designator C4)
C4_GCOMP_DAC "Cap 100uF 0805" "KEMET C0805C104J8RACTU" 3287.5,724.93 r90 bottom value="100 uF" (schematic designator C4)
C4_GLDIST_DAC "Cap 100uF 0805" "KEMET C0805C104J8RACTU" 3287.5,420 r270 bottom value="100 uF" (schematic designator C4)
C4_GLPROX_DAC "Cap 100uF 0805" "KEMET C0805C104J8RACTU" 3287.5,265.08 r270 bottom value="100 uF" (schematic designator C4)
C4_IN_IBIAS_DAC "Cap 100uF 0805" "KEMET C0805C104J8RACTU" 531.99,1682.46 r180 bottom value="100 uF" (schematic designator C4)
C4_REF_ADC "Cap 100uF 0805" "KEMET C0805C104J8RACTU" 785,1930 r0 bottom value="100 uF" (schematic designator C4)
C4_SYN_DRLO_DAC "Cap 100uF 0805" "KEMET C0805C104J8RACTU" 720.04,554.49 r270 bottom value="100 uF" (schematic designator C4)
C4_U_Capx41 "Cap 100uF 0805" "KEMET C0805C104J8RACTU" 1819.31,3744.93 r180 bottom value="100 uF" (schematic designator C4)
C4_U_Capx42 "Cap 100uF 0805" "KEMET C0805C104J8RACTU" 2416.29,3740.94 r180 bottom value="100 uF" (schematic designator C4)
C4_U_Capx43 "Cap 100uF 0805" "KEMET C0805C104J8RACTU" 632.5,3745.49 r180 bottom value="100 uF" (schematic designator C4)
C4_U_Capx44 "Cap 100uF 0805" "KEMET C0805C104J8RACTU" 1222.2,3747.99 r180 bottom value="100 uF" (schematic designator C4)
C4_U_Capx45 "Cap 100uF 0805" "KEMET C0805C104J8RACTU" 3014.05,3737.5 r180 bottom value="100 uF" (schematic designator C4)
C4_U_Capx46 "Cap 100uF 0805" "KEMET C0805C104J8RACTU" 3625.52,3737.5 r180 bottom value="100 uF" (schematic designator C4)
C4_U_Capx47 "Cap 100uF 0805" "KEMET C0805C104J8RACTU" 499.37,3171.5 r0 bottom value="100 uF" (schematic designator C4)
C4_U_Capx48 "Cap 100uF 0805" "KEMET C0805C104J8RACTU" 1137.01,3171.5 r0 bottom value="100 uF" (schematic designator C4)
C4_V_EREV0_DAC "Cap 100uF 0805" "KEMET C0805C104J8RACTU" 915,1650 r180 bottom value="100 uF" (schematic designator C4)
C4_V_EREV1_DAC "Cap 100uF 0805" "KEMET C0805C104J8RACTU" 1070,1650 r180 bottom value="100 uF" (schematic designator C4)
C4_V_EREV2_DAC "Cap 100uF 0805" "KEMET C0805C104J8RACTU" 1225,1650 r0 bottom value="100 uF" (schematic designator C4)
C4_V_EREV3_DAC "Cap 100uF 0805" "KEMET C0805C104J8RACTU" 1372.8,1875 r0 bottom value="100 uF" (schematic designator C4)
C4_VAMP_HI_DAC "Cap 100uF 0805" "KEMET C0805C104J8RACTU" 1677.46,265.08 r270 bottom value="100 uF" (schematic designator C4)
C4_VAMP_LOW_DAC "Cap 100uF 0805" "KEMET C0805C104J8RACTU" 1677.46,420 r270 bottom value="100 uF" (schematic designator C4)
C4_VB_BUFF_DAC "Cap 100uF 0805" "KEMET C0805C104J8RACTU" 720.09,239.49 r270 bottom value="100 uF" (schematic designator C4)
C4_VBIAS_DAC "Cap 100uF 0805" "KEMET C0805C104J8RACTU" 1220.59,2322.5 r0 bottom value="100 uF" (schematic designator C4)
C4_VBIAS_SF_DAC "Cap 100uF 0805" "KEMET C0805C104J8RACTU" 1370,225 r270 bottom value="100 uF" (schematic designator C4)
C4_VBP_DAC "Cap 100uF 0805" "KEMET C0805C104J8RACTU" 135.67,2332.5 r180 bottom value="100 uF" (schematic designator C4)
C4_VDC_DAC1 "Cap 100uF 0805" "KEMET C0805C104J8RACTU" 3077.5,2862.8 r270 bottom value="100 uF" (schematic designator C4)
C4_VDC_DAC2 "Cap 100uF 0805" "KEMET C0805C104J8RACTU" 1370,385.59 r270 bottom value="100 uF" (schematic designator C4)
C4_VDC_DAC3 "Cap 100uF 0805" "KEMET C0805C104J8RACTU" 954.88,1935 r180 bottom value="100 uF" (schematic designator C4)